# Altium PCB test_stand_2.PcbDoc (part 1 of 2) (continued)
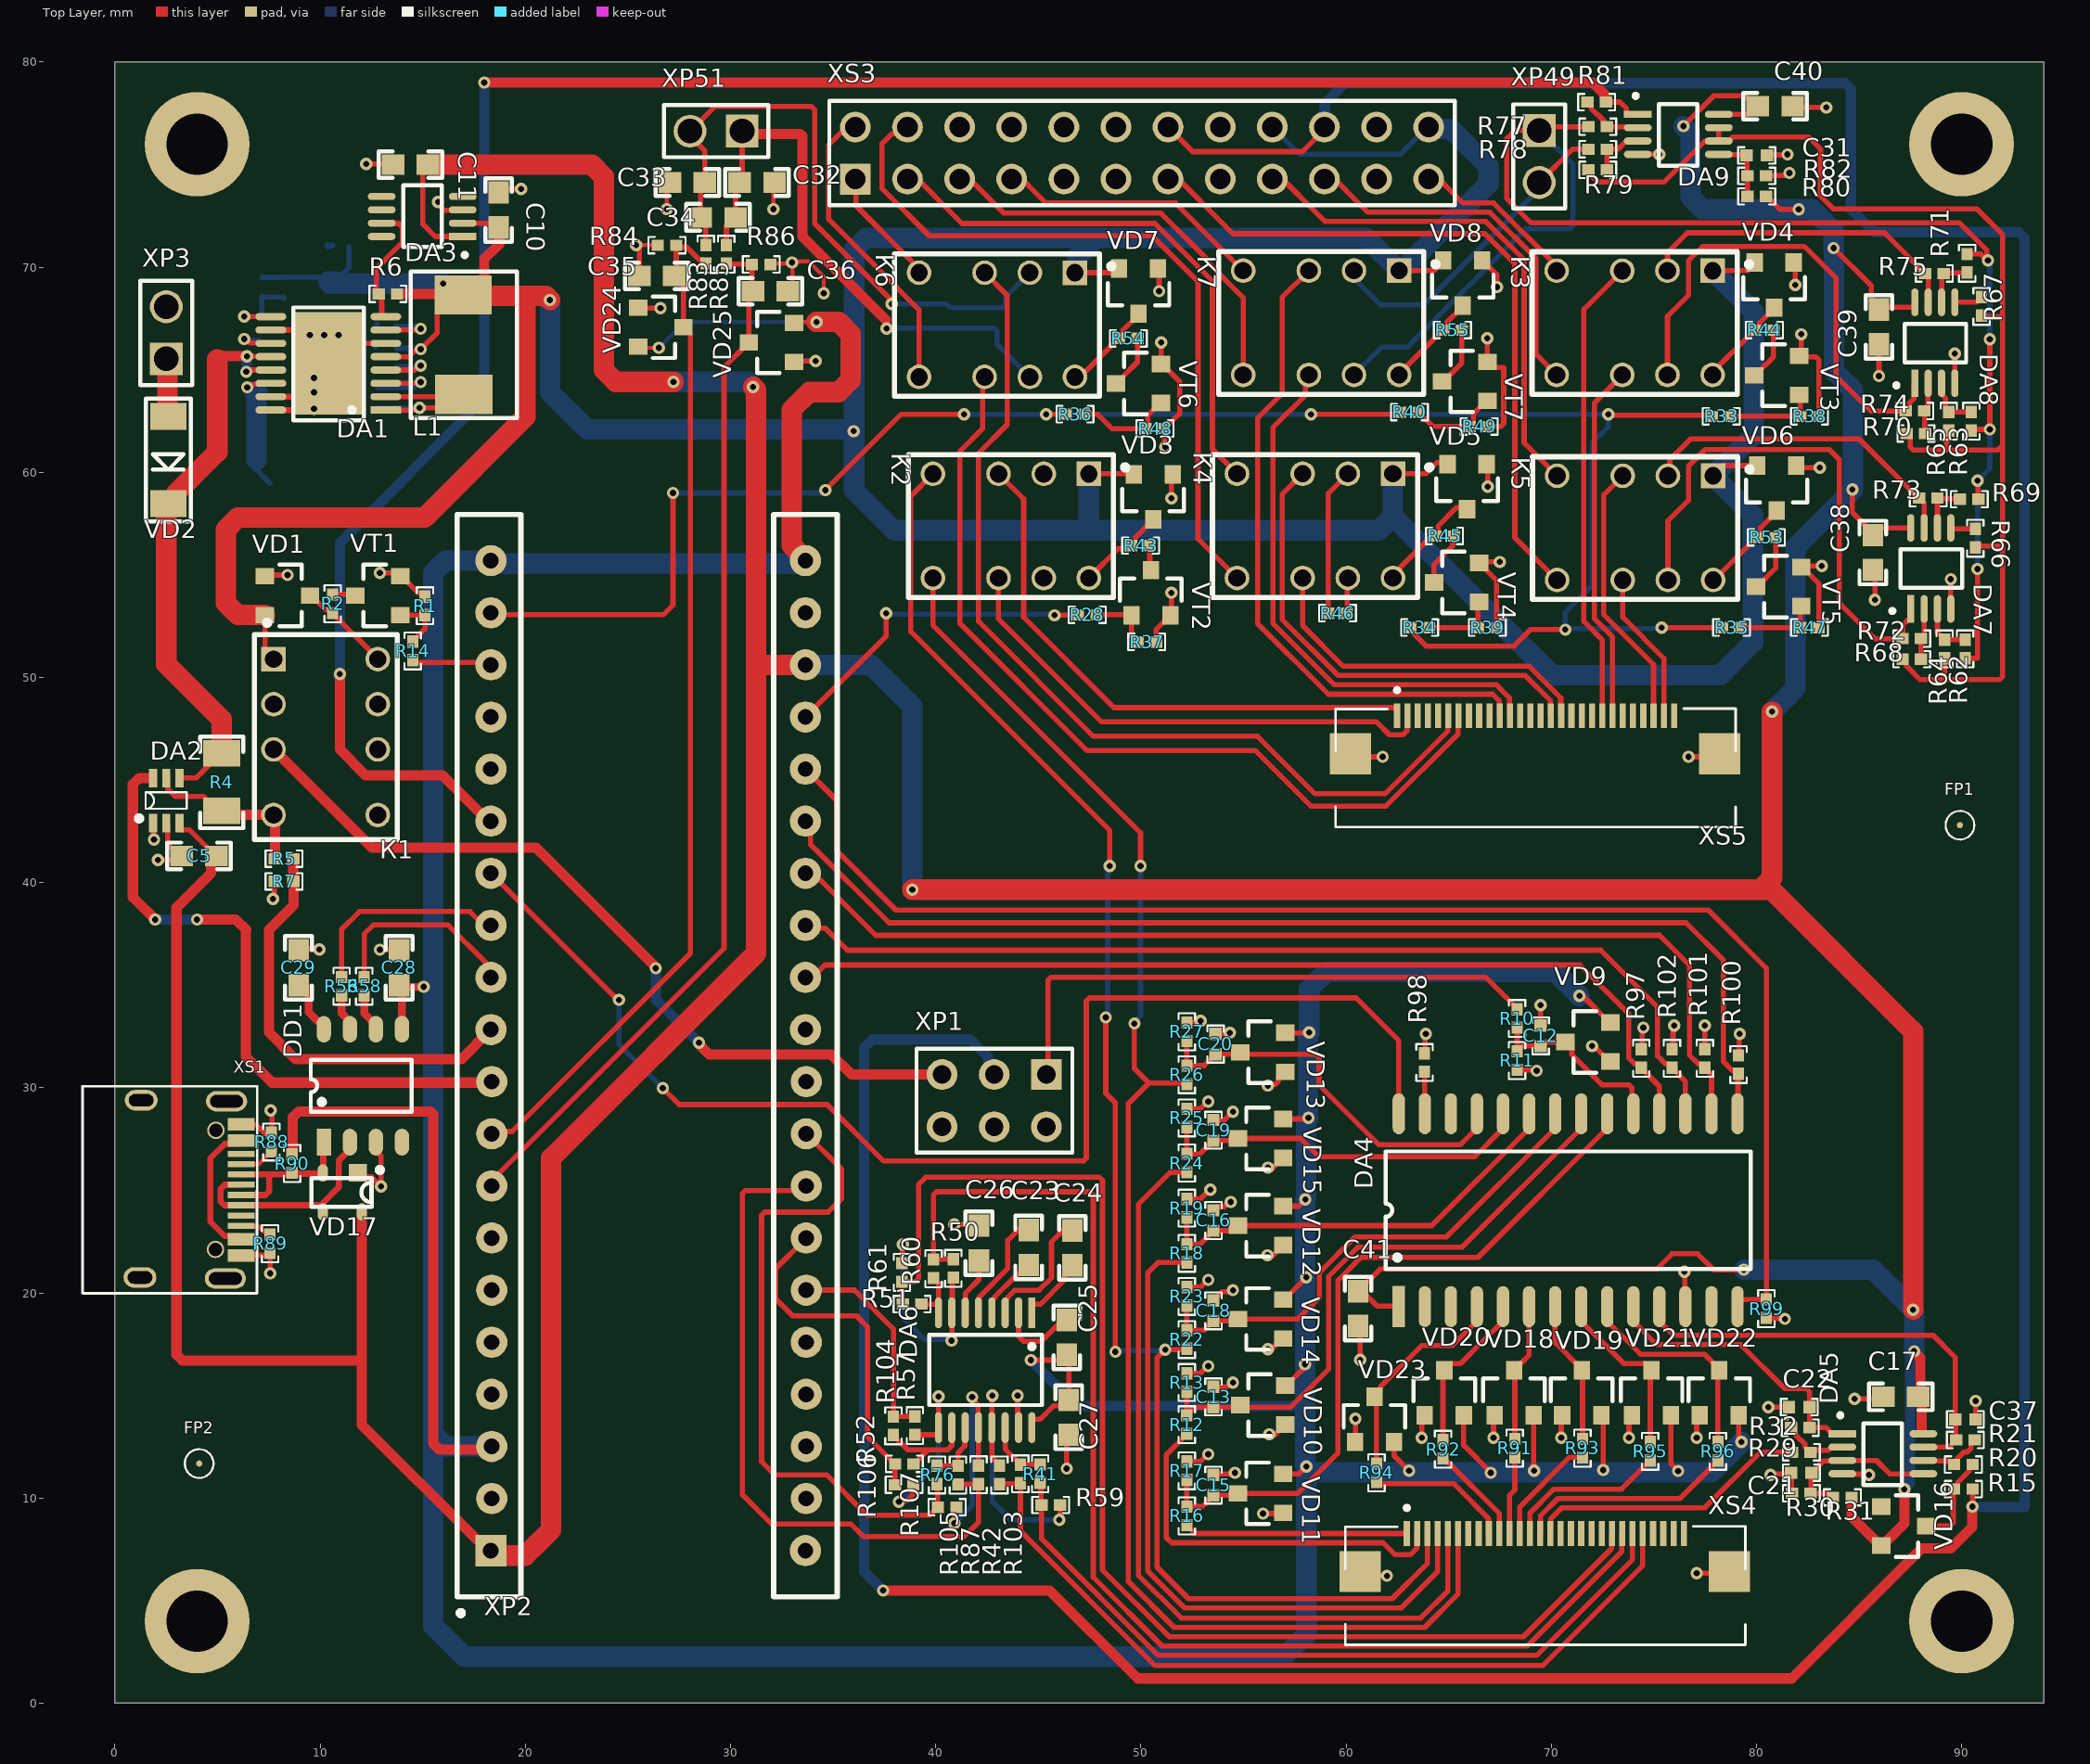
[diagram p0: Top Layer view]
## Footprints (in the part's own frame and the unit in brackets; to place one, negate y for a bottom-side part, rotate by r counter-clockwise, add the part's x,y. Pads: shape width x height; smd on the part's side, far side on the other; paste and mask are expansions set on the pad)
0402C [mm]
  rect 0.6x0.6 smd: 1(-0.5,0) 2(0.5,0)
  silkscreen extent -0.9,-0.4 0.9,0.4, body extent -0.73,-0.25 0.73,0.25, height 0.51
0603C [mm]
  rect 1.1x1 smd: 1(-0.85,0) 2(0.85,0)
  silkscreen extent -1.55,-0.65 1.55,0.65, body extent -1.23,-0.42 1.23,0.38, height 0.8
1210C [mm]
  rect 1.6x2.7 smd: 1(-1.4,0) 2(1.4,0)
  silkscreen extent -2.27,-1.46 2.3,1.46, body extent -2.44,-1.22 2.5,1.28, height 1.61
"Black pill STM32F411CEU6" [mil]
  rect 60x60 hole 30: 1(0,0)
  round 60 hole 30: 2(100,-1.57) 3(200,-1.57) 4(300,-1.57) 5(400,-1.57) 6(500,-1.57) 7(600,-1.57) 8(700,-1.57) 9(800,-1.57) 10(900,-1.57) 11(1000,0) 12(1100,0) 13(1200,0) 14(1300,0) 15(1400,0) 16(1500,0) 17(1600,0) 18(1700,0) 19(1800,0) 20(1900,0) 21(0,-603.54) 22(100,-605.12) 23(200,-605.12) 24(300,-605.12) 25(400,-605.12) 26(500,-605.12) 27(600,-605.12) 28(700,-605.12) 29(800,-605.12) 30(900,-605.12) 31(1000,-603.54) 32(1100,-603.54) 33(1200,-603.54) 34(1300,-603.54) 35(1400,-603.54) 36(1500,-603.54) 37(1600,-603.54) 38(1700,-603.54) 39(1800,-603.54) 40(1900,-603.54)
  silkscreen extent -125,-665 1989,65, body extent -224,-700 2006,100, height 306
DIP-8 [mm]
  rect 1.2x1.2 hole 0.85: 1(0,0)
  round 1.2 hole 0.85: 2(0,-2.2) 3(0,-4.4) 4(0,-7.6) 5(5.08,-7.6) 6(5.08,-4.4) 7(5.08,-2.2) 8(5.08,0)
  silkscreen extent -0.92,-8.8 6.02,1.89, body extent -0.47,-8.83 5.53,1.18, height 5.66
"FIDICIAL POINT - R0.3" [mm]
  round 0.3 smd mask+0.5: 1(0,0)
  Top Layer pour cut-out: -0.65,0.019 -0.605,-0.233 -0.466,-0.449 -0.255,-0.595 -0.005,-0.65 -0.005,-0.65 0.245,-0.601 0.457,-0.461 0.599,-0.249 0.65,0 0.65,0 0.606,0.245 0.472,0.454 0.268,0.597 0.025,0.65 0.025,0.65 -0.227,0.609 -0.443,0.474 -0.592,0.267 -0.65,0.019
  silkscreen extent -0.7,-0.7 0.7,0.7
IHLP2020CZ-01 [mm]
  rect 1.905x2.79 smd: 1(0,0) 2(4.851,0.025)
  silkscreen extent -1.16,-2.59 6,2.59, body extent -0.25,-2.57 5.2,2.58, height 1.95
MOLEX_52437-2833 [mm] "Easy-On FFC/FPC Connector, 0.50mm Pitch, Slider Series, Right-Angle, Bottom Contact, 2.00mm Height, 28 Circuits, Tin-Silver-Bismuth Plating"
  rect 0.3x1.2 smd: 1(-6.725,1.538) 2(-6.225,1.538) 3(-5.725,1.538) 4(-5.225,1.538) 5(-4.725,1.538) 6(-4.225,1.538) 7(-3.725,1.538) 8(-3.225,1.538) 9(-2.725,1.538) 10(-2.225,1.538) 11(-1.725,1.538) 12(-1.225,1.538) 13(-0.725,1.538) 14(-0.225,1.538) 15(0.275,1.538) 16(0.775,1.538) 17(1.275,1.538) 18(1.775,1.538) 19(2.275,1.538) 20(2.775,1.538) 21(3.275,1.538) 22(3.775,1.538) 23(4.275,1.538) 24(4.775,1.538) 25(5.275,1.538) 26(5.775,1.538) 27(6.275,1.538) 28(6.775,1.538)
  rect 2x2 smd: S1(-9,-0.312) S2(9,-0.312)
  silkscreen extent -9.72,-3.89 9.78,2.89, body extent -10.3,-3.42 10.3,1.78, height 2
MSOP-8 [mm] "8-Lead Mini Small Outline Package [MSOP]"
  rect 0.35x1.35 smd: 1(0,0)
  oval 0.35x1.35 smd: 2(0.65,0) 3(1.3,0) 4(1.95,0) 5(1.95,3.95) 6(1.3,3.95) 7(0.65,3.95) 8(0,3.95)
  silkscreen extent -0.97,-0.17 2.5,2.9, body extent -0.5,-0.45 2.5,4.45, height 0.95
PLD-6 [mm]
  rect 1.5x1.5 hole 0.9: 1(0,0)
  round 1.5 hole 0.9: 2(0,2.54) 3(2.54,0) 4(2.54,2.54) 5(5.08,0) 6(5.08,2.54)
  silkscreen extent -1.27,-1.27 6.32,3.81, body extent -1.27,-1.27 6.35,3.81, height 9.2
PLD-24 [mm]
  rect 1.5x1.5 hole 1: 1(-13.97,-1.27)
  round 1.5 hole 1: 2(-13.97,1.27) 3(-11.43,-1.27) 4(-11.43,1.27) 5(-8.89,-1.27) 6(-8.89,1.27) 7(-6.35,-1.27) 8(-6.35,1.27) 9(-3.81,-1.27) 10(-3.81,1.27) 11(-1.27,-1.27) 12(-1.27,1.27) 13(1.27,-1.27) 14(1.27,1.27) 15(3.81,-1.27) 16(3.81,1.27) 17(6.35,-1.27) 18(6.35,1.27) 19(8.89,-1.27) 20(8.89,1.27) 21(11.43,-1.27) 22(11.43,1.27) 23(13.97,-1.27) 24(13.97,1.27)
  silkscreen extent -15.24,-2.54 15.24,2.54, body extent -15.24,-2.54 15.24,2.54, height 8.6
PLS-2 [mm]
  rect 1.6x1.6 hole 1.2: 1(-1.27,0)
  round 1.6 hole 1.2: 2(1.27,0)
  silkscreen extent -2.54,-1.27 2.54,1.27, body extent -2.54,-1.27 2.54,1.27, height 8.54
R0402 [mm] "Resistor 0402"
  rect 0.6x0.55 smd: 1(-0.45,0) 2(0.45,0)
  silkscreen extent -0.9,-0.4 0.9,0.4, body extent -0.73,-0.25 0.73,0.25, height 0.51
R1206 [mm]
  rect 1.3x1.8 smd: 1(-1.4,0) 2(1.4,0)
  silkscreen extent -2.22,-1.05 2.25,1.05, body extent -2.27,-0.8 2.27,0.8, height 1.25
SC-70-6 [mm]
  rect 0.4x0.9 smd: 1(-0.65,-1.1) 2(0,-1.1) 3(0.65,-1.1) 4(0.65,1.1) 5(0,1.1) 6(-0.65,1.1)
  silkscreen extent -1.45,-0.99 1,0.4, body extent -1,-1.05 1,1.05, height 0.92
SMA-FL [mm]
  rect 1.3x1.76 smd: 1(-2.13,0) 2(2.13,0)
  silkscreen extent -3,-1.1 3,1.1, body extent -2.55,-1.3 2.55,1.3, height 1.2
SOIC-28 [mm]
  rect 2x0.6 smd: 1(-4.7,8.255)
  oval 2x0.6 smd: 2(-4.7,6.985) 3(-4.7,5.715) 4(-4.7,4.445) 5(-4.7,3.175) 6(-4.7,1.905) 7(-4.7,0.635) 8(-4.7,-0.635) 9(-4.7,-1.905) 10(-4.7,-3.175) 11(-4.7,-4.445) 12(-4.7,-5.715) 13(-4.7,-6.985) 14(-4.7,-8.255) 15(4.7,-8.255) 16(4.7,-6.985) 17(4.7,-5.715) 18(4.7,-4.445) 19(4.7,-3.175) 20(4.7,-1.905) 21(4.7,-0.635) 22(4.7,0.635) 23(4.7,1.905) 24(4.7,3.175) 25(4.7,4.445) 26(4.7,5.715) 27(4.7,6.985) 28(4.7,8.255)
  silkscreen extent -2.86,-8.89 2.87,8.89, body extent -5.33,-9.07 5.28,9.03, height 2.61
SOP8 [mm]
  rect 1.3x0.7 smd: 1(0,0)
  oval 1.3x0.7 smd: 2(0,-1.27) 3(0,-2.54) 4(0,-3.81) 5(5.5,-3.81) 6(5.5,-2.54) 7(5.5,-1.27) 8(5.5,0)
  silkscreen extent 1.48,-4.29 4.02,0.64, body extent -0.24,-4.27 5.74,0.62, height 1.57
SOT143B [mm]
  rect 0.85x0.88 smd: 1(0,0)
  oval 0.85x0.5 smd: 2(0,-1.7) 3(1.9,-1.7) 4(1.9,0.2)
  silkscreen extent -0.27,-2.25 1.65,1.2, body extent -0.31,-2.25 2.11,0.67, height 1
SOT-23-3 [mm]
  rect 0.9x0.8 smd: 1(-1.1,0.95) 2(-1.1,-0.95) 3(1.1,0)
  silkscreen extent -0.4,-1.5 0.7,1.5, body extent -1.4,-1.45 1.4,1.45, height 1.3
TSSOP-16 [mm] "16-Lead Thin Shrink Small Outline Package [TSSOP]"
  rect 0.35x1.5 smd: 1(-2.275,-2.8)
  oval 0.35x1.5 smd: 2(-1.625,-2.8) 3(-0.975,-2.8) 4(-0.325,-2.8) 5(0.325,-2.8) 6(0.975,-2.8) 7(1.625,-2.8) 8(2.275,-2.8) 9(2.275,2.8) 10(1.625,2.8) 11(0.975,2.8) 12(0.325,2.8) 13(-0.325,2.8) 14(-0.975,2.8) 15(-1.625,2.8) 16(-2.275,2.8)
  silkscreen extent -2.77,-1.73 2.73,1.7, body extent -2.47,-3.37 2.53,3.02, height 1.1
TSSOP-17 [mm] "16+1-Lead Thin Shrink Small Outline Package [TSSOP]"
  rect 0.35x1.5 smd: 1(-2.275,-2.8)
  oval 0.35x1.5 smd: 2(-1.625,-2.8) 3(-0.975,-2.8) 4(-0.325,-2.8) 5(0.325,-2.8) 6(0.975,-2.8) 7(1.625,-2.8) 8(2.275,-2.8) 9(2.275,2.8) 10(1.625,2.8) 11(0.975,2.8) 12(0.325,2.8) 13(-0.325,2.8) 14(-0.975,2.8) 15(-1.625,2.8) 16(-2.275,2.8)
  rect 5x3.4 smd: 17(0,0)
  silkscreen extent -2.77,-1.73 2.73,1.7, body extent -2.48,-3.4 2.53,3, height 1.1
"USB-C 16P" [mm]
  rect 0.6x1.3 smd: A1/B12(3.175,-2.467) A4/B9(2.375,-2.467) A9/B4(-2.43,-2.47) A12/B1(-3.23,-2.47)
  rect 0.3x1.3 smd: A5(1.225,-2.462) A6(-0.275,-2.462) A7(0.225,-2.462) A8(-1.275,-2.462) B5(-1.775,-2.462) B6(0.725,-2.462) B7(-0.775,-2.462) B8(1.725,-2.462)
  oval 1x1.6 hole 0.6 slot 1.2 at 90 deg: S1(-4.295,2.468) S4(4.345,2.408)
  oval 1x2 hole 0.6 slot 1.6 at 90 deg: S2(-4.345,-1.692) S3(4.295,-1.752)
  round 0.85 hole 0.65: S5(-2.925,-1.212) S6(2.88,-1.23)
  silkscreen extent -5.08,-3.24 5.02,5.27, body extent -4.83,-2.64 4.74,5.07, height 3.16

## Part data
C1 C2: library part "C1210-22uF 10% 50V", "C1210-22uF 10% 50V", Part Number="SMD CAP CER 22uF ±10% 50V X7R 1210", Mount=MOUNT, MountType=SMD, Pkg=1210, Solder_Amount=2
C3 C14 C21 C22 C37: library part "C0402-10nF 10% 50V", "C0402-10nF 10% 50V", Part Number="SMD CAP CER 10nF ±10% 50V X5R 0402", Added_by=Rutel@Mail.ru, Created_at=27/03/2020, Mount=MOUNT, MountType=SMD, Pkg=0402, Solder_Amount=2
C4: library part "C0402-10UF 10% 10V", "C0402-10UF 10% 10V", Part Number="SMD CAP CER 10UF ±10% 10V X5R 0402", Added_by=Rutel@Mail.ru, Created_at=27/03/2020, Mount=MOUNT, MountType=SMD, Pkg=0402, Solder_Amount=2
C5 C17 C23 C24 C25 C26 C27 C28 C29 C38 C39 C40 C41: library part "C0603-0.1UF 10% 50V", "C0603 0.1UF 10% 50V", Part Number="SMD CAP CER 0.1UF ±10% 50V X7R 0603", Added_by=anton@teslatec.ru, Created_at=10/01/2023, Mount=MOUNT, MountType=SMD, Pkg=0603, Solder_Amount=2
C6: library part "C0402-470nF 10% 50V", "C0402-470nF 10% 50V", Part Number="SMD CAP CER 470nF ±10% 50V X5R 0402", Mount=MOUNT, MountType=SMD, Pkg=0402, Solder_Amount=2
C7: library part "C1210-100UF 10% 16V", "C1210-100UF 10% 16V", Part Number="SMD CAP CER 100UF ±10% 16V X7R 1210", Mount=MOUNT, MountType=SMD, Pkg=1210, Solder_Amount=2
C8 C9 C12 C13 C15 C16 C18 C19 C20 C31: library part "C0402-100nF 10% 50V", "C0402-100nF 10% 50V", Part Number="SMD CAP CER 100nF ±10% 50V X5R 0402", Added_by=Rutel@Mail.ru, Created_at=27/03/2020, Mount=MOUNT, MountType=SMD, Pkg=0402, Solder_Amount=2
C10 C11 C32 C33 C34 C35 C36: library part "C0603-1uF 10% 50V", "C0603-1uF 10% 50V", Part Number="SMD CAP CER 1uF ±10% 50V X7R 0603", Added_by=grebelny_av@teslatec.ru, Created_at=22/06/2021, Mount=MOUNT, MountType=SMD, Pkg=0603, Solder_Amount=2
DA1: "LM43603PWPR 3.5-V to 36-V, 3-A Synchronous Step-Down Voltage Converter", Added_by=irdolgopolowa@yandex.ru, Created_at=29/10/24, Mount=MOUNT, MountType=SMD, Part Number=LM43603PWPR, Pkg="MSE 16", Solder_Amount=17
DA2: "26V, 14kHz, bi-directional, package SC70-6, -40 to 125", Added_by=ridel_av@teslatec.ru, Created_at=02/02/2022, Mount=MOUNT, MountType=SMD, Part Number=INA210AIDCKT, Pkg=SC70-6, Solder_Amount=6
DA3: "5V 300 mA, Low Dropout, / CMOS Linear Regulator", Added_by=irdolgopolowa@yandex.ru, Created_at=29/10/24, Mount=MOUNT, MountType=SMD, Part Number=ADP3333ARMZ-5, Pkg="8-Lead MSOP", Solder_Amount=8
DA4: "MPC506AU, Ch: 16, SO28", Part Number=MPC506A, Added_by=irdolgopolowa@yandex.ru, Created_at=29/10/2024, Mount=MOUNT, MountType=SMD/SMT, Pkg=SOIC-28, Solder_Amount=28
DA5 DA7 DA8 DA9: "High Performance, 145 MHz FastFET Op Amps", Added_by=irdolgopolowa@yandex.ru, Created_at=29/10/24, Mount=MOUNT, MountType=SMD, Part Number=AD8066ARMZ, Pkg=MSOP-8, Solder_Amount=8
DA6: "Low Power, 3.3 V, RS-232 / Line Drivers/Receivers", Added_by=irdolgopolowa@yandex.ru, Created_at=29/10/24, Mount=MOUNT, MountType=SMD, Part Number=ADM3202ARU, Pkg=TSSOP-16, Solder_Amount=16
DD1: "USB to Serial Port Chip CH340, SOP-8", Added_by=irdolgopolowa@yandex.ru, Created_at=29/10/24, Mount=MOUNT, MountType=SMD, Part Number=CH340N, Pkg=SOIC-8, Solder_Amount=8
FP1 FP2 FP3 FP4: library part FIDUCIAL_R0.3, Adder_by=ridel_av@teslatec.ru, Created_at=22/03/2020, Mount=-, MountType=-, Pkg=-, Solder_Amount=-
L1: "FIXED IND 3.3UH 3.3A 79 MOHM SMD", Added_by=Rutel@teslatec.ru, Created_at=14/05/2020, Mount=MOUNT, MountType=SMD, Part Number=IHLP2020BZER3R3M01, Pkg=IHLP-2020BZ-01, Solder_Amount=2
R1 R37 R38 R39 R47 R48 R49: library part R0402-1K, "Resistor SMD 1K 1% 0402", Part Number="SMD RES 1 KOHM 1% ±100ppm/°C 0402", Added_by=irdolgopolowa@yandex.ru, Created_at=29/10/24, Mount=MOUNT, MountType=SMD, Pkg=0402, Solder_Amount=2
R2 R43 R44 R45 R53 R54 R55: library part R0402-24R, "Resistor SMD 24R 1% 0402", Part Number="SMD RES 24R OHM 1% ±100ppm/°C 0402", Added_by=Rutel@teslatec.ru, Created_at=21/04/2020, Mount=MOUNT, MountType=SMD, Pkg=0402, Solder_Amount=2
R3: library part R0402-18.2K, "Resistor SMD 18.2K 1% 0402", Part Number="SMD RES 18.2 KOHM 1% ±100ppm/°C 0402", Added_by=Rutel@teslatec.ru, Created_at=21/04/2020, Mount=MOUNT, MountType=SMD, Pkg=0402, Solder_Amount=2
R4: library part R1206-0.018R, "Resistor SMD 0.018R 1% 1206", Part Number="TL2BR018F SMD RES 0.018 OHM 1% ±75ppm/°C 1206", Added_by=irdolgopolowa@yandex.ru, Created_at=07/11/2024, Mount=MOUNT, MountType=SMD, Pkg=1206, Solder_Amount=2
R5 R10 R12 R16 R18 R20 R22 R24 R26 R29 R30 R31 R83 R85: library part R0402-100K, "Resistor SMD 100K 1% 0402", Part Number="SMD RES 100 KOHM 1% ±100ppm/°C 0402", Added_by=Rutel@teslatec.ru, Created_at=21/04/2020, Mount=MOUNT, MountType=SMD, Pkg=0402, Solder_Amount=2
R6 R21 R32 R46 R62 R63 R64 R65 R66 R67 R68 R69 R70 R71 R72 R73 R74 R75 R77 R78 R79 R81 R82 R97 R99 R100 R101 R102: library part R0402-10K, "Resistor SMD 10K 1% 0402", Part Number="SMD RES 10 KOHM 1% ±100ppm/°C 0402", Added_by=Rutel@teslatec.ru, Created_at=21/04/2020, Mount=MOUNT, MountType=SMD, Pkg=0402, Solder_Amount=2
R7 R80: library part R0402-20K, "Resistor SMD 20K 1% 0402", Part Number="SMD RES 20 KOHM 1% ±100ppm/°C 0402", Added_by=Rutel@teslatec.ru, Created_at=21/04/2020, Mount=MOUNT, MountType=SMD, Pkg=0402, Solder_Amount=2
R8: library part R0402-8.2K, "Resistor SMD 8.2K 1% 0402", Part Number="SMD RES 8.2 KOHM 1% ±100ppm/°C 0402", Added_by=Rutel@teslatec.ru, Created_at=21/04/2020, Mount=MOUNT, MountType=SMD, Pkg=0402, Solder_Amount=2
R9: library part R0402-40.2K, "Resistor SMD 40.2K 1% 0402", Part Number="SMD RES 40.2K KOHM 1% ±100ppm/°C 0402", Added_by=ridel_av@teslatec.ru, Created_at=15/12/2021, Mount=MOUNT, MountType=SMD, Pkg=0402, Solder_Amount=2
R11 R13 R17 R19 R23 R25 R27 R84 R86: library part R0402-56K, "Resistor SMD 56K 1% 0402", Part Number="SMD RES 56K KOHM 1% ±100ppm/°C 0402", Added_by=ridel_av@teslatec.ru, Created_at=15/12/2021, Mount=MOUNT, MountType=SMD, Pkg=0402, Solder_Amount=2
R14 R15 R28 R33 R34 R35 R36 R40 R91 R92 R93 R94 R95 R96: library part R0402-100R, "Resistor SMD 100R 1% 0402", Part Number="SMD RES 100 OHM 1% ±100ppm/°C 0402", Added_by=irdolgopolowa@yandex.ru, Created_at=29/10/24, Mount=MOUNT, MountType=SMD, Pkg=0402, Solder_Amount=2
R41 R42 R50 R51 R52 R57 R59 R60 R61 R76 R87 R98 R103 R104 R105 R106 R107: library part R0402-0R, "Resistor SMD 0R 1% 0402", Part Number="SMD RES 0R 0402", Added_by=irdolgopolowa@yandex.ru, Created_at=29/10/24, Mount=MOUNT, MountType=SMD, Pkg=0402, Solder_Amount=2
R56 R58: library part R0402-33R, "Resistor SMD 33R 1% 0402", Part Number="SMD RES 33R OHM 1% ±100ppm/°C 0402", Added_by=Rutel@teslatec.ru, Created_at=21/04/2020, Mount=MOUNT, MountType=SMD, Pkg=0402, Solder_Amount=2
R88 R89: library part R0402-5.1K, "Resistor SMD 5.1K 1% 0402", Part Number="SMD RES 5.1 KOHM 1% ±100ppm/°C 0402", Added_by=Rutel@teslatec.ru, Created_at=21/04/2020, Mount=MOUNT, MountType=SMD, Pkg=0402, Solder_Amount=2
R90: library part R0402-1.5K, "Resistor SMD 1.5K 1% 0402", Part Number="SMD RES 1.5 KOHM 1% ±100ppm/°C 0402", Added_by=Rutel@teslatec.ru, Created_at=21/04/2020, Mount=MOUNT, MountType=SMD, Pkg=0402, Solder_Amount=2
VD1 VD3 VD4 VD5 VD6 VD7 VD8 VD9 VD10 VD11 VD12 VD13 VD14 VD15 VD16 VD18 VD19 VD20 VD21 VD22 VD23 VD24 VD25: "BAV99, UMW, 70В, 200мА", Added_by=andrew@teslatec.ru, Created_at=29/06/2020, Mount=MOUNT, MountType=SMD, Part Number=BAV99, Pkg=SOT-23-3, Solder_Amount=3
VD2: "1.5 A, 40 V Schottky Rectifier", Added_by=irdolgopolowa@yandex.ru, Created_at=29.10.24, Mount=MOUNT, MountType=SMD, Part Number=MBRAF1540T3G, Pkg=SMA-FL, Solder_Amount=2
VD17: "PRTR5V0U2X, ESD(Rail-to-Rail), 1pF,  5V", Added_by=irdolgopolowa@yandex.ru, Created_at=29/10/24, Mount=MOUNT, MountType=SMD, Part Number=PRTR5V0U2X, Pkg=SOT-143, Solder_Amount=4
VT1 VT2 VT3 VT4 VT5 VT6 VT7: "N-Channel Logic Level Enhancement Mode Field Effect Transistor", Added_by=ma_lubushkin@teslatec.ru, Created_at=03/12/2019, Mount=MOUNT, MountType=SMD, Part Number=BSS138, Pkg=SOT-23, Solder_Amount=3
XP1: "Pin Header Pitch 2.54mm", Part Number="PLD-6 (DS1021-2x3)", Added_by=ponomarev_ke@teslatec.ru, Created_at=21/05/2019, Mount=MOUNT, MountType=THM, Pkg="PLD-6 2.54mm", Solder_Amount=6
XP2: library part "STM32F411CEU6 Black pil", "STM32F411CEU6 Black pil", Added_by=irdolgopolowa@yandex.ru, Created_at=29/10/24, Mating Part=2*DS1021-1*20SF11-B, Mount=MOUNT, MountType=THM, Part Number="STM32F411CEU6 Black Pill", Pkg="Black pil", Solder_Amount=20
XP3: "HEADER 2.54mm", Added_by=irdolgopolowa@yandex.ru, Created_at=29/10/24, Mount=MOUNT, MountType=THM, Part Number=PLS-2, Pkg=PLS-2, Solder_Amount=2
XP49: library part PLS-2_Laser, "KNP300JB-52-3R", Part Number=PLS-2, Added_by=irdolgopolowa@yandex.ru, Created_at=29/10/24, Mating Part=KNP300JB-52-3R, Mount=MOUNT, MountType=THM, Pkg=PLS-2, Solder_Amount=2
XP51: library part PLS-2_peltie, "SQP10AJB-3R", Part Number=PLS-2, Added_by=irdolgopolowa@yandex.ru, Created_at=29/10/24, Mating Part=SQP10AJB-3R, Mount=MOUNT, MountType=THM, Pkg=PLS-2, Solder_Amount=2
XS1: "USB Type-C, 16 Pin", Added_by=ridel_av@teslatec.ru, Created_at=13/12/2021, Mount=MOUNT, MountType=SMD, Part Number=698B116-264-211, Pkg=698B116-264-211, Solder_Amount=16
XS3: "Pin Header Pitch 2.54mm", Added_by=andrew@teslatec.ru, Cable/Wire=-, Created_at=1/09/2020, Mating Part=-, Mating Terminals=-, Mount=MOUNT, MountType=THM, Part Number=PLD-24, Pkg="PLD-24 2.54mm", Solder_Amount=24
XS4 XS5: "28 Position FFC, FPC Connector Contacts, Bottom 0.020 _0.50mm_ Surface Mount, Right Angle", Part Number="52437-2833 (MOLEX)", Added_by=ridel_av@teslatec.ru, Mating Part="FFCA 28pin, 0.5mm pitch, AVM 20624 80C 60V VW-1", Mount=MOUNT, MountType=SMD, Pkg=52437-2833, Solder_Amount=30
К1 К2 К3 К4 К5 К6 К7: "HFD4/5 (IM03TS) (1-1462037-8), 5VDC, 2A/250VAC DPDT", Part Number=HFD4/5SR, Added_by=irdolgopolowa@yandex.ru, Created_at=30/10/24, Mount=MOUNT, MountType=THM, Pkg=DIP-8, Solder_Amount=8

## Free pads (board coordinates)
  round 5.1 hole 3: 1(4.004,75.994) 2(90.003,75.994) 3(90,3.998) 4(4.004,3.996)

## Via types
v1: diameter 0.6, hole 0.3, Top Layer to Bottom Layer, tented both sides, 177 vias

## Nets (pads, with @x,y where several pads share a name; then routed paths per layer and width w, separated by ;. In a path a pad name is that pad's centre, name@x,y a point inside that pad or via, vN(x,y) a via of type N, cw(c..) or ccw(c..) an arc to the next point about the centre after c; other vN are vias at no path point)
5V_Laser: R12.1 XS4.2 | length 18.9
  Top Layer w0.254: R12.1@52.237,13.128 52.237,13.103 51.241,12.106 51.241,8.077 51.503,7.815 61.804,7.815 62.387,7.231 63.137,7.231 63.439,7.533 63.439,8.246 XS4.2@63.462,8.269
+1.2V: R95.1 XS4.13 | length 7.9
  Top Layer w0.254: XS4.13@68.962,8.269 68.962,9.265 70.128,10.431 73.428,10.431 74.653,11.656 74.678,11.656 74.826,11.804 R95.1@74.826,11.829
+1.8V: R93.1 XS4.12 | length 5.4
  Top Layer w0.254: XS4.12@68.462,8.269 68.462,9.563 70.878,11.979 R93.1@71.526,11.979
+1.8VA: R96.1 XS4.14 | length 10.6
  Top Layer w0.254: XS4.14@69.462,8.269 69.485,8.292 69.485,9.146 70.316,9.977 76.274,9.977 R96.1@78.126,11.829
+2.5V: R92.1 XS4.10 | length 4.8
  Top Layer w0.254: R92.1@64.726,11.929 64.726,11.904 64.874,11.756 64.962,11.756 67.462,9.256 XS4.10@67.462,8.269
+2.5V_OFFSET: R91.1 XS4.11 | length 3.8
  Top Layer w0.254: XS4.11@67.962,8.269 67.962,10.13 68.226,10.394 R91.1@68.226,11.979
+2.048V: R94.1 XS4.9 | length 6.9
  Top Layer w0.254: R94.1@61.487,10.731 61.517,10.701 65.242,10.701 66.939,9.004 66.939,8.292 XS4.9@66.962,8.269
+3.3V: C25.2 C27.2 C28.2 DA6.16 DD1.5 R90.2 VD9.2 VD10.2 VD11.2 VD12.2 VD13.2 VD14.2 VD15.2 VD18.2 VD19.2 VD20.2 VD21.2 VD22.2 VD23.2 VD24.2 VD25.2 XP2.3 XP2.20 XP2.40 | length 287
  Top Layer w0.2: VD24.2@25.506,66.122 25.556,66.072 v1(26.506,66.072) ; VD25.2@33.096,67.281 33.146,67.331 v1(34.196,67.331)
  Top Layer w0.254: v1@44.633,16.845 v1(44.633,16.721) 46.127,16.721 C25.2@46.387,16.981 ; DA6.16@44.687,13.431 44.687,13.794 44.731,13.838 45.094,13.838 45.755,14.499 46.255,14.499 46.487,14.731 C27.2@46.487,14.781 46.487,16.781 C25.2@46.387,16.881 ; VD12.2@56.937,24.228 57.686,24.228 v1(58.014,24.556) ; VD11.2@56.938,11.178 57.703,11.178 v1(58.065,11.54) ; VD14.2@56.938,19.678 56.988,19.678 58.058,20.748 v1(58.058,20.761) ; VD15.2@56.938,28.478 58.117,28.478 v1(58.169,28.53) ; VD10.2@57.038,15.478 57.088,15.478 57.997,16.387 v1(57.997,16.518) ; VD13.2@57.038,32.678 58.18,32.678 v1(58.2,32.698) 58.243,32.698 v1@58.326,32.781 ; VD23.2@62.337,12.731 62.337,12.066 v1(63.075,11.328) ; VD20.2@65.737,14.031 65.737,12.575 67.054,11.258 v1(67.054,11.23) ; VD18.2@69.137,14.031 69.137,11.353 v1(69.163,11.327) ; v1@71.206,34.478 v1(71.373,34.478) 71.54,34.478 72.837,33.181 VD9.2@72.887,33.181 ; VD19.2@72.437,14.031 72.535,13.933 v1(72.535,11.367) ; VD21.2@75.837,14.031 75.837,11.665 v1(76.186,11.316) ; VD22.2@79.137,14.031 79.137,12.868 v1(79.276,12.729)
  Top Layer w0.381: DD1.5@13.987,32.848 13.987,34.758 13.847,34.898 13.866,34.917 v1(15.048,34.917)
  Top Layer w0.5: R90.2@8.63,26.757 8.63,26.782 8.655,26.807 8.655,27.003 8.668,27.016 8.668,28.556 8.961,28.849 15.369,28.849 15.518,28.7 15.518,24.129 15.518,12.645 15.811,12.352 18.2,12.352 XP2.3@18.362,12.514
  Top Layer w1: XP2.40@33.652,55.694 33.652,55.77 32.978,56.444 32.978,63.049 33.842,63.913 35.263,63.913 35.849,64.499 35.849,66.745 35.263,67.331 v1(34.196,67.331)
  Bottom Layer w0.2: v1(26.506,66.072) 27.765,67.331 v1(34.196,67.331)
  Bottom Layer w0.5: v1(44.633,16.721) 46.867,14.487 58.014,14.487
  Bottom Layer w1: XP2.20@18.166,55.549 18.322,55.549 XP2.40@33.652,55.549 ; XP2.20@18.322,55.694 18.318,55.69 16.098,55.69 15.512,55.104 15.512,13.1 ; XP2.3@18.362,12.514 16.098,12.514 15.512,13.1 ; v1(71.373,34.478) 70.209,35.642 59.028,35.642 58.2,34.814 v1(58.2,32.698) 58.2,32.655 58.151,32.606 58.151,28.547 v1(58.169,28.53) 58.063,28.424 58.063,24.605 v1(58.014,24.556) 58.014,20.761 58.014,14.487 58.014,11.591 v1(58.065,11.54) ; v1(79.276,12.729) 77.8,11.253 58.352,11.253 v1(58.065,11.54) ; 15.512,13.1 15.512,3.776 17.023,2.265 56.981,2.265 58.065,3.349 v1(58.065,11.54)
+4.5V: R18.1 XS4.4 | length 34.1
  Top Layer w0.254: R18.1@52.238,21.478 50.834,21.478 50.333,20.977 50.333,6.443 52.138,4.638 62.694,4.638 64.462,6.406 XS4.4@64.462,8.269
+5.5V: R16.1 XS4.1 | length 10.9
  Top Layer w0.254: R16.1@52.238,8.678 52.238,8.653 52.622,8.269 XS4.1@62.962,8.269
+5.5VAA: R24.1 XS4.5 | length 40.4
  Top Layer w0.254: R24.1@52.238,25.878 51.434,25.878 49.879,24.323 49.879,6.239 51.971,4.147 63.645,4.147 64.962,5.464 XS4.5@64.962,8.269
+5V: C5.2 C11.2 C17.1 C38.1 C39.1 C40.1 C41.1 DA2.3 DA3.1 DA4.1 DA5.8 DA7.8 DA8.8 DA9.8 R31.2 R80.1 VD16.2 VD17.4 XP2.1 XP2.38 | length 347.8
  Top Layer w0.254: DA2.3@3.15,42.9 3.15,42.65 3.223,42.577 3.623,42.577 4.527,41.673 4.577,41.673 C5.2@4.95,41.3 C5.2@4.9,41.3 ; C11.2@15.25,75 15,74.75 15,72.1 15.604,71.496 DA3.1@16.948,71.496 ; C41.1@60.587,20.181 C41.1@60.687,20.181 ; DA4.1@62.57,19.329 62.543,19.356 61.512,19.356 C41.1@60.687,20.181 ; v1(76.441,76.875) 77.916,78.35 79.466,78.35 79.966,77.85 79.566,77.45 DA9.8@78.166,77.45 ; v1(79.387,21.131) 77.912,21.131 77.137,21.906 75.887,21.906 75.137,21.156 61.662,21.156 C41.1@60.687,20.181 ; R80.1@80.466,73.45 80.491,73.475 81.143,72.823 v1(82.059,72.823) ; v1(83.762,70.931) 85.607,69.086 85.607,68.363 85.93,68.04 87.679,68.04 87.723,68.084 DA8.8@87.723,68.29 ; v1(84.68,59.165) 84.68,58.033 85.673,57.04 85.923,57.29 DA7.8@87.523,57.29
  Top Layer w0.5: C5.2@4.9,41.3 4.678,41.078 4.678,40.462 3,38.784 3,16.993 3.293,16.7 12.034,16.7 ; VD17.4@12.034,23.949 12.034,16.7 ; XP2.1@18.322,7.434 17.81,7.946 17.654,7.946 12.034,13.566 12.034,16.7 ; R31.2@84.637,10.031 84.637,9.081 85.887,7.831 86.037,7.681 VD16.2@86.087,7.681 ; VD16.2@86.137,7.681 87.212,8.756 v1(87.212,10.431) ; v1(87.687,17.156) 87.687,17.129 87.987,16.829 87.987,14.931 88.062,14.856 DA5.8@88.062,13.206
  Top Layer w1: C11.2@15.25,75 23.237,75 23.823,74.414 23.823,64.997 24.409,64.411 v1(27.222,64.411) ; XP2.1@18.322,7.434 18.562,7.194 19.998,7.194 20.666,7.862 20.674,7.862 21.26,8.448 21.26,26.57 31.238,36.548 31.238,50.66 ; v1(31.103,64.162) 31.238,64.027 31.238,50.66 ; XP2.38@33.652,50.614 31.284,50.614 31.238,50.66 ; v1(38.862,39.656) 80.176,39.656 ; v1(80.762,48.331) 80.762,40.242 80.176,39.656 ; v1(87.637,19.181) 87.637,32.742 80.723,39.656 80.176,39.656
  Bottom Layer w0.5: v1(87.212,10.431) 87.212,10.458 87.487,10.733 87.487,16.929 87.687,17.129 v1(87.687,17.156)
  Bottom Layer w1: v1(27.222,64.411) 30.854,64.411 v1(31.103,64.162) ; XP2.38@33.652,50.614 36.846,50.614 38.862,48.598 v1(38.862,39.656) ; v1(76.441,76.875) 76.796,76.52 76.796,73.409 77.382,72.823 v1(82.059,72.823) 82.716,72.823 83.762,71.777 v1(83.762,70.931) 83.787,70.906 83.787,64.926 84.701,64.013 84.701,59.145 81.912,56.356 81.912,49.481 v1(80.762,48.331) ; v1(79.387,21.131) 85.687,21.131 v1(87.637,19.181) 87.687,19.131 v1(87.687,17.156)
+6V: C7.2 C8.2 C9.2 C10.2 C14.2 DA1.5 DA3.2 L1.2 R6.2 R9.2 VD1.2 VD3.2 VD4.2 VD5.2 VD6.2 VD7.2 VD8.2 XS3.18 XS3.24 К1.1 К2.1 К3.1 К4.1 К5.1 К6.1 К7.1 | length 231.5
  Top Layer w0.254: VD1.2@7.31,53.044 7.31,51.314 К1.1@7.73,50.894 ; DA1.5@13.198,65.638 14.338,65.638 14.7,66 v1(14.9,66) 15.707,66.807 15.707,67.826 L1.2@16.533,68.651 ; DA3.2@16.948,72.146 18.511,72.146 C10.2@18.734,71.923 ; К6.1@46.787,69.731 48.737,69.731 VD7.2@48.937,69.931 ; К2.1@47.464,59.927 49.441,59.927 VD3.2@49.537,59.831 ; К4.1@62.287,59.931 63.887,59.931 64.437,60.481 64.869,60.481 VD5.2@64.95,60.4 ; К7.1@62.587,69.831 64.287,69.831 64.737,70.281 VD8.2@64.737,70.331 ; К3.1@77.864,69.827 79.564,69.827 79.914,70.177 VD4.2@79.914,70.227 ; К5.1@77.887,59.831 78.387,60.331 VD6.2@80.037,60.331
  Top Layer w0.5: R6.2@13.75,68.7 16.533,68.7 L1.2@16.926,68.7 ; L1.2@16.975,68.651 17.297,68.651 18,69.354 18,70.4 18.734,71.134 18.734,71.906 C10.2@18.7,71.94
  Top Layer w1: VD1.2@7.31,53.044 5.986,53.044 5.4,53.63 5.4,57.214 5.986,57.8 15.1,57.8 20,62.7 20,68.6 ; L1.2@16.926,68.7 L1.2@16.975,68.651 17.026,68.6 20,68.6 ; v1(21.2,68.4) 21,68.6 20,68.6
  Bottom Layer w0.254: R9.2@7.163,69.484 7.183,69.504 C14.2@8.195,69.504 ; C14.2@8.151,69.524 9.976,69.524 C7.2@10.3,69.2 ; C7.2@10.727,69.3 11.4,69.973 C8.2@11.4,71 ; C9.2@13.79,66.168 13.768,66.168 C9.2@13.7,66.1 13.75,66.05 14.85,66.05 v1(14.9,66) ; XS3.18@56.407,76.831 57.721,75.517 62.653,75.517 63.967,76.831 XS3.24@64.027,76.831
  Bottom Layer w1: C7.2@10.727,69.3 C7.2@10.4,69.3 10.5,69.2 v1(16,69.2) ; v1(21.2,68.4) 21.2,63.9 23.013,62.087 35.918,62.087 v1(36,62.005) ; К6.1@46.787,69.731 46.887,69.831 46.887,70.488 47.83,71.431 ; К2.1@47.464,59.927 47.464,57.176 ; К4.1@62.287,59.931 62.287,57.856 ; XS3.24@64.027,76.831 64.123,76.735 65.108,76.735 66.948,74.895 66.948,74.067 62.812,69.931 62.687,69.931 К7.1@62.587,69.831 60.987,71.431 47.83,71.431 ; К3.1@77.864,69.827 79.862,67.829 79.862,61.806 К5.1@77.887,59.831 79.837,57.881 79.837,51.706 78.237,50.106 70.037,50.106 64.962,55.181 62.287,57.856 ; 47.464,57.176 61.607,57.176 62.287,57.856 ; 47.464,57.176 37.967,57.176 36.023,59.12 36.023,70.845 36.609,71.431 47.83,71.431
+6V_ACM: R10.1 XP1.1 | length 28.2
  Top Layer w0.254: XP1.1@45.477,30.641 45.477,35.243 45.626,35.392 66.798,35.392 68.337,33.853 R10.1@68.337,33.828
-5.5V: R29.1 XS4.15 | length 13.8
  Top Layer w0.254: XS4.15@69.962,8.269 69.985,8.292 69.985,9.004 70.504,9.523 77.479,9.523 80.187,12.231 R29.1@81.737,12.231
-6V: R15.1 XP1.3 XS3.14 XS3.20 | length 209.8
  Top Layer w0.254: XS3.14@51.327,76.831 52.527,75.631 57.867,75.631 58.947,76.711 XS3.20@58.947,76.831 ; v1(90.525,9.577) 90.537,9.589 R15.1@90.537,10.431
  Top Layer w0.5: v1(37.44,5.491) 45.559,5.491 49.847,1.203 81.718,1.203 88.051,7.536 89.468,7.536 90.525,8.593 v1(90.525,9.577)
  Bottom Layer w0.254: XS3.14@51.283,76.875 XS3.14@51.327,76.831 ; v1(90.525,9.577) v1@90.538,9.564 ; 93.08,9.564 93.229,9.713
  Bottom Layer w0.5: v1(37.44,5.491) 36.512,6.419 36.512,31.953 36.913,32.354 41.689,32.354 42.569,31.474 42.569,30.589 XP1.3@42.687,30.471 ; XS3.20@58.948,76.832 58.948,77.952 59.964,78.968 84.311,78.968 84.604,78.675 84.604,72.853 85.746,71.711 92.787,71.711 93.08,71.418 93.08,9.564 v1@90.538,9.564
A_ADC+: DA8.1 R74.2 К3.7 | length 24.5
  Top Layer w0.254: К3.7@75.664,64.747 75.664,67.608 76.687,68.631 76.687,70.312 77.379,71.004 82.35,71.004 83.887,69.467 83.887,64.676 85.573,62.99 R74.2@87.273,62.99 87.298,62.99 87.446,63.138 87.446,63.363 87.675,63.592 87.675,64.292 DA8.1@87.723,64.34
A_ADC-: DA8.7 R75.2 К3.2 | length 16.1
  Top Layer w0.254: К3.2@75.664,69.827 75.664,70.708 76.634,71.678 86.237,71.678 88.373,69.542 DA8.7@88.373,68.29
A_CPoint0: DA4.17 R102.2 XP2.33 | length 49
  Top Layer w0.254: XP2.33@33.652,37.914 33.789,37.777 34.623,37.777 35.694,36.706 72.412,36.706 75.187,33.931 75.187,31.544 75.577,31.154 75.739,31.154 75.887,31.006 R102.2@75.887,30.981 75.887,30.956 76.533,30.31 76.533,28.736 DA4.17@76.54,28.729
A_CPoint1: DA4.16 R101.2 XP2.34 | length 52.7
  Top Layer w0.254: XP2.34@33.652,40.454 33.996,40.454 34.348,40.102 34.408,40.102 37.079,37.431 75.287,37.431 76.732,35.986 76.732,31.599 77.177,31.154 77.339,31.154 77.487,31.006 R101.2@77.487,30.981 77.487,30.956 77.81,30.633 DA4.16@77.81,28.729
A_CPoint2: DA4.15 R100.2 XP2.35 | length 56
  Top Layer w0.254: XP2.35@33.652,42.994 33.895,42.751 33.895,41.871 37.724,38.042 76.576,38.042 78.387,36.231 78.387,31.28 78.815,30.852 78.977,30.852 79.125,30.704 R100.2@79.125,30.679 79.103,30.656 79.103,28.751 DA4.15@79.08,28.729
A_CPoint3: DA4.14 R99.2 XP2.36 | length 70.1
  Top Layer w0.254: XP2.36@33.652,45.534 35.165,44.021 35.165,41.56 38.063,38.663 77.655,38.663 80.487,35.831 R99.2@80.487,19.681 79.24,19.681 79.08,19.521 DA4.14@79.08,19.329
ADC+: DA7.1 R72.2 К5.7 | length 26.3
  Top Layer w0.254: К5.7@75.687,54.751 75.687,57.631 76.687,58.631 76.687,60.293 77.502,61.108 83.55,61.108 84.048,60.61 84.048,53.615 85.773,51.89 R72.2@87.123,51.89 87.123,52.546 87.369,52.792 87.475,52.792 87.523,52.84 DA7.1@87.523,53.34
ADC-: DA7.7 R73.2 К5.2 | length 16.2
  Top Layer w0.254: К5.2@75.687,59.831 75.777,59.92 75.777,60.621 76.787,61.631 85.007,61.631 87.898,58.74 R73.2@87.923,58.74 87.948,58.74 88.173,58.515 DA7.7@88.173,57.29
ADC_ACM_IN: XS5.22 К3.6 | length 17.5
  Top Layer w0.254: XS5.22@72.987,48.131 72.987,51.989 72.106,52.87 72.106,63.388 К3.6@73.464,64.747
ADC_ACM_OUT: XS5.21 К3.3 | length 22.8
  Top Layer w0.254: XS5.21@72.487,48.131 72.487,51.831 71.587,52.731 71.587,67.949 К3.3@73.464,69.827
ADC_Ipower: DA2.6 XP2.10 | length 31.5
  Top Layer w0.254: 1.6,45.1 DA2.6@1.85,45.1 ; 6.388,37.688 6.395,37.695 ; XP2.10@18.321,30.253 XP2.10@18.362,30.294
  Top Layer w0.5: 1.6,45.1 1.174,45.1 0.873,44.799 0.873,39.288 v1(1.961,38.2) ; v1(4,38.2) 5.89,38.2 6.395,37.695 ; 6.388,37.688 6.388,31.512 7.647,30.253 XP2.10@18.321,30.253
  Bottom Layer w0.5: v1(1.961,38.2) v1(4,38.2)
ADC_Laser: DA9.1 R81.2 XP2.15 | length 101.5
  Top Layer w0.254: R81.2@72.666,78.05 73.347,78.05 73.668,77.729 73.668,77.498 73.716,77.45 DA9.1@74.216,77.45
  Top Layer w0.5: v1(10.962,50.168) 10.962,46.494 12.22,45.236 15.965,45.236 18.207,42.994 XP2.15@18.322,42.994 ; v1(18,79) 72.027,79 72.616,78.411 72.616,78.075 72.641,78.05 R81.2@72.666,78.05
  Bottom Layer w0.5: v1@10.873,50.079 v1(10.962,50.168) 10.962,56.562 18,63.6 v1(18,79)
ADC_MUX: DA4.28 XP2.14 | length 63.5
  Top Layer w0.254: XP2.14@18.322,40.454 18.324,40.454 24.495,34.283 v1(24.562,34.283) ; v1(26.702,29.977) 27.501,29.178 34.713,29.178 37.468,26.423 47.193,26.423 47.342,26.572 47.342,34.23 47.491,34.379 60.491,34.379 62.57,32.3 DA4.28@62.57,28.729
  Bottom Layer w0.254: v1(24.562,34.283) 24.562,32.117 v1(26.702,29.977)
ADC_Pletie_IN: C36.2 R85.1 R86.1 VD25.3 XP2.8 | length 51.4
  Top Layer w0.254: XP2.8@18.362,25.214 18.362,25.469 29.687,36.794 29.687,65.122 VD25.3@30.896,66.331 30.896,68.731 31.046,68.881 R86.1@31.046,70.131 31.021,70.156 29.821,70.156 R85.1@29.796,70.181
ADC_Pletie_OUT: C35.2 R83.1 R84.1 VD24.3 XP2.9 | length 50.1
  Top Layer w0.254: XP2.9@18.362,27.754 18.474,27.866 19.356,27.866 28.049,36.559 28.049,66.729 VD24.3@27.706,67.072 27.706,69.172 27.306,69.572 C35.2@27.256,69.572 27.356,69.672 27.356,70.975 R84.1@27.356,71.072 27.453,70.975 27.865,70.975 28.194,70.646 28.486,70.354 28.648,70.354 28.796,70.206 R83.1@28.796,70.181
ADC_REP_IN: XS5.27 К5.6 | length 7.4
  Top Layer w0.254: К5.6@73.487,54.751 73.487,52.931 75.487,50.931 XS5.27@75.487,48.131
ADC_REP_OUT: XS5.26 К5.3 | length 13.1
  Top Layer w0.254: К5.3@73.487,59.831 72.56,58.904 72.56,53.058 74.987,50.631 XS5.26@74.987,48.131
ADC_Upower: R5.2 R7.1 XP2.11 | length 21
  Top Layer w0.5: R7.1@8.692,40.06 R5.2@8.692,41.16 ; R7.1@8.7,40.172 8.7,38.9 7.5,37.7 7.5,32.7 8.8,31.4 16.888,31.4 XP2.11@18.322,32.834
ChannelA+: XS3.19 К3.5 | length 18.2
  Top Layer w0.254: XS3.19@58.977,74.761 61.061,72.677 67.005,72.677 69.261,70.421 69.261,65.75 К3.5@70.264,64.747
ChannelA-: XS3.23 К3.4 | length 8.4
  Top Layer w0.254: XS3.23@64.057,74.761 65.687,73.131 67.193,73.131 70.264,70.06 К3.4@70.264,69.827
ChannelB+: XS3.13 К5.5 | length 35
  Top Layer w0.254: XS3.13@51.357,74.761 54.487,71.631 66.767,71.631 68.225,70.173 68.225,56.813 К5.5@70.287,54.751
ChannelB-: XS3.17 К5.4 | length 25.3
  Top Layer w0.254: XS3.17@56.437,74.761 58.975,72.223 66.817,72.223 68.679,70.361 68.679,61.439 К5.4@70.287,59.831
D_N: DD1.2 VD17.3 XS1.A7 XS1.B7 | length 10.6
  Top Layer w0.3: XS1.A7@6.149,25.271 5.355,25.271 5.149,25.066 5.149,24.447 5.325,24.271 XS1.B7@6.149,24.271 9.933,24.271 10.096,24.108 10.172,24.108 10.172,24.422 10.906,25.156 10.906,26.447 11.447,26.988 DD1.2@11.447,27.348
D_P: DD1.1 R90.1 VD17.2 XS1.A6 XS1.B6 | length 7.9
  Top Layer w0.3: XS1.A6@6.149,24.771 7.338,24.771 7.528,24.961 7.528,25.771 ; XS1.B6@6.149,25.771 7.528,25.771 ; R90.1@8.51,25.906 8.51,25.896 R90.1@8.421,25.807 ; DD1.1@10.177,27.348 10.156,27.326 10.156,25.87 10.092,25.807 R90.1@8.421,25.807 ; 7.528,25.771 8.385,25.771 R90.1@8.421,25.807
En_MUX: DA4.18 R97.1 XP2.32 | length 46.9
  Top Layer w0.254: XP2.32@33.652,35.374 33.996,35.374 34.603,35.981 71.399,35.981 73.785,33.595 73.785,31.446 74.077,31.154 74.239,31.154 74.387,31.006 R97.1@74.387,30.981 74.387,30.956 75.27,30.073 DA4.18@75.27,28.729